# KiCad board s100_ColorMagic-1.1-003.kicad_pcb (continued)
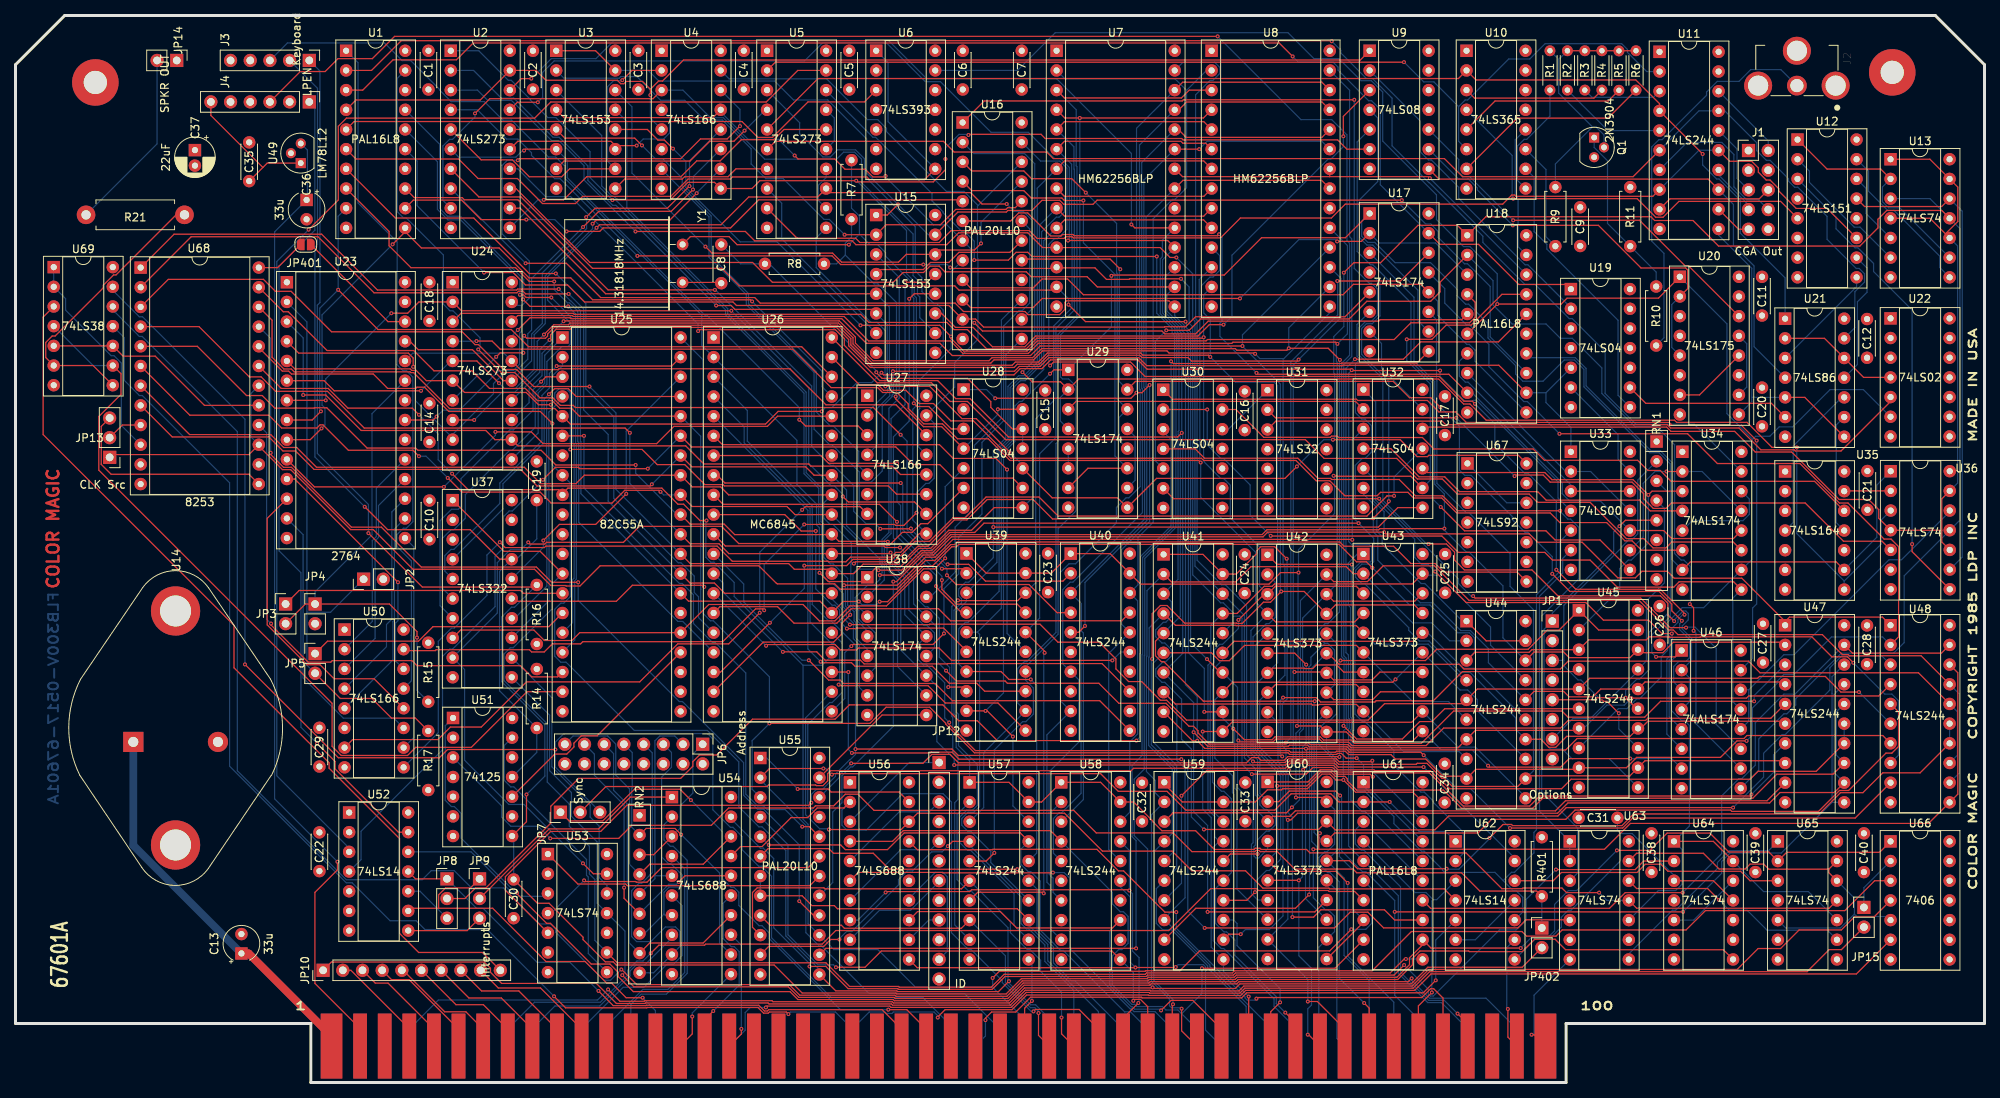
[diagram p0: board, top side]
## Routing (per net, layer and track width the routed paths; a pad name or vN(x,y) marks a point on that pad's centre or on a via; arc(x,y) is an arc through that point) (continued)
/WR: length 279.8
  Component w0.152: v1(97.26,46.34) 110.22,46.34 112.31,48.43 117.93,48.43 119.99,46.37 119.99,46.27 123.71,42.55 164.15,42.55 164.36,42.34 170.41,42.34 170.55,42.47 171.04,42.47 171.65,41.86 v1(173.01,41.86) ; U25.36 72.74,86 71.71,87.03 70.2,87.03 69.22,88 67.33,88 65.76,89.57 61.15,89.57 58.88,91.85 53.98,91.85 51.37,94.47 40.19,94.47 35.19,99.47 34.55,99.47 U68.23
  Copper w0.152: 191.91,26.05 193.19,24.77 193.57,24.77 194.44,23.9 194.44,22 U62.10 ; 191.91,26.05 192.98,27.13 193.37,27.13 195.88,29.64 195.88,32.28 196.21,32.61 196.21,62.96 199.24,66 199.24,69.83 U33.5 ; 191.91,26.05 190.84,27.12 184.37,27.12 184.08,27.4 184.08,27.49 181.71,29.86 181.36,29.86 177.81,33.41 177.81,34.33 173.9,38.24 U61.1 173.9,40.97 v1(173.01,41.86) ; U25.36 88.39,83.4 88.39,63.66 88.39,60.84 89.64,59.59 90.02,59.59 97.26,52.35 v1(97.26,46.34) 95.02,44.11 95.02,37.86 U55.3
A0: length 226.6
  Component w0.152: v1(56.32,78.58) 58.39,76.51 70.06,76.51 70.56,76.01 ; v1(126.05,13.49) 126.92,14.36 145.73,14.36 145.8,14.42 150.19,14.42 152.75,16.99 169.53,16.99 v1(172.31,19.77) ; 70.56,76.01 U25.9 ; 70.56,76.01 71.26,76.71 83.38,76.71 85.45,74.63 86.19,74.63 88.3,72.53 v1(89.13,72.53) ; U68.19 34.28,89.57 40.34,89.57 42.88,87.03 51.18,87.03 v1(52.04,86.17)
  Copper w0.152: v1(89.13,72.53) 89.05,72.45 89.05,67.78 89.69,67.15 90.1,67.15 92.71,64.54 92.71,62.74 101.59,53.85 ; v1(56.32,78.58) 54.52,80.37 54.52,83.69 v1(52.04,86.17) ; 126.05,12.28 116.12,12.28 111.25,17.15 105.57,17.15 U55.15 102.24,20.48 102.24,33.33 101.59,33.97 101.59,53.85 ; 126.05,12.28 130.18,8.16 P1.79 ; 126.05,12.28 v1(126.05,13.49) ; v1(172.31,19.77) 174.18,19.77 174.96,20.55 174.96,24.99 U61.6 ; 101.59,53.85 104.05,53.85 105.3,55.1 U26.24
A1: length 199.3
  Component w0.152: U55.13 105.81,11.83 113.68,11.83 113.78,11.73 126.81,11.73 v1(128.15,13.08) ; v1(69.26,85.05) 67.7,86.6 55.89,86.6 52.76,89.73 51.78,89.73 51.62,89.57 48.01,89.57 46.15,91.44 35.61,91.44 35.24,91.8 34.42,91.8 31.39,94.84 U68.20
  Copper w0.152: U55.13 103.7,14.59 99.37,18.92 99.37,29.93 96.31,32.99 95.91,32.99 93.31,35.59 93.31,41.38 89.26,45.43 79.83,45.43 71.02,54.25 70.34,54.25 69.55,55.04 69.55,61.07 70.35,61.86 70.73,61.86 71.57,62.7 71.57,64.1 71.54,64.12 71.54,64.97 71.57,64.99 71.57,77.37 U25.8 69.26,79.68 v1(69.26,85.05) ; P1.80 133.35,8.27 131.6,10.03 130.96,10.03 128.15,12.83 v1(128.15,13.08) 128.03,13.2 128.03,19.97 123.23,24.77 122.87,24.77 121.47,26.18 121.47,34.59 123.08,36.2
A2: length 65.7
  Component w0.152: v1(120.26,30.5) 120.88,31.12 U57.4 ; U55.11 97.17,17.57 104.26,17.57 105.15,18.46 v1(106.29,18.46)
  Copper w0.152: U57.4 123.08,30.6 129.69,23.99 129.69,20.54 130.42,19.82 130.73,19.82 132.78,17.76 132.78,15.63 136.53,11.89 P1.81 ; v1(120.26,30.5) 119.53,29.77 118.17,29.77 115.72,27.31 115.04,27.31 113.91,26.18 113.91,25.51 107.89,19.49 107.21,19.49 106.29,18.57 v1(106.29,18.46)
A3: length 61.8
  Component w0.152: P1.31 134.94,6.29 v1(134.94,8.38) ; U55.10 95.07,20.03 95.07,24.52 95.67,25.12 104.28,25.12 104.4,25 122.04,25 123.08,26.04
  Copper w0.152: 123.08,26.04 128.34,20.78 128.34,19.34 130.53,17.15 130.87,17.15 132.24,15.78 132.24,14.35 134.94,11.65 v1(134.94,8.38)
A4: length 49
  Component w0.152: P1.30 131.97,6.08 v1(131.97,8.96) ; U55.9 97.35,20.29 106.54,20.29 106.93,19.91 122.03,19.91 U57.8
  Copper w0.152: v1(131.97,8.96) 131.97,9.18 131.49,9.66 130.93,9.66 127.7,12.89 127.7,16.34 U57.8
A5: length 11.7
  Component w0.152: v1(131.12,10.52) 130.18,9.58 P1.29
  Copper w0.152: v1(131.12,10.52) 131.12,15.46 130.7,15.88
A6: length 58.4
  Component w0.152: U55.8 101.47,24.1 102.74,22.83 105.63,22.83 106.03,22.42 129.24,22.42 U57.13
  Copper w0.152: P1.82 139.7,9.16 133.16,15.69 133.16,17.82 130.7,20.29 U57.13 ; U55.8 U55.7
A7: length 63.4
  Component w0.152: U55.6 97.09,30.19 104.91,30.19 105.51,29.59 110.65,29.59 112.71,27.52 v1(129.23,27.52)
  Copper w0.152: v1(129.23,27.52) 129.23,27.51 131.78,24.96 131.78,19.63 133.89,17.52 133.89,15.43 136.18,13.14 136.66,13.14 142.88,6.92 P1.83
A8: length 71.1
  Component w0.152: U57.17 129.61,32.21 114.63,32.21 112.49,30.06 107.05,30.06 106.45,30.66 v1(97.18,30.66)
  Copper w0.152: U55.5 97.14,30.66 v1(97.18,30.66) ; P1.84 146.05,6.9 143.83,9.12 143.08,9.12 135.15,17.05 134.81,17.05 132.18,19.68 132.18,26 130.97,27.21 130.64,27.21 129.69,28.16 129.69,30.11 U57.17
A9: length 76
  Component w0.152: P1.34 146.05,9.79 145.12,10.72 144.37,10.72 v1(144.2,10.55) ; 142.52,15.88 141.43,16.97 111.68,16.97 109.59,14.87 v1(105.84,14.87)
  Copper w0.152: v1(144.2,10.55) 144.2,14.2 142.52,15.88 ; v1(105.84,14.87) 105.52,15.19 103.51,15.19 99.65,19.06 99.65,30.69 U55.4
A10: length 58
  Component w0.152: U56.13 116.37,22.06 127.04,22.06 129.16,19.95 141.51,19.95 U58.13 ; v1(147.78,9.31) 149.07,10.6 151.87,10.6 155.58,6.9 P1.37
  Copper w0.152: v1(147.78,9.31) 147.62,9.46 144.37,9.46 144.05,9.78 143.92,9.78 141.15,12.54 141.15,19.59 U58.13
A11: length 62.1
  Component w0.152: v1(149.67,14.9) 149.62,14.84 v1(144.48,14.84) 144.45,14.82 116.32,14.82 115.27,15.88
  Copper w0.152: v1(149.67,14.9) 149.98,15.21 153.24,15.21 153.51,14.94 153.51,6.76 P1.87 ; 142.52,26.04 142.52,25.22 143.81,23.93 143.81,15.51 v1(144.48,14.84)
A12: length 66
  Component w0.152: P1.33 142.88,8.29 v1(144.85,10.26) ; v1(112.24,24.53) 112.35,24.64 123.09,24.64 123.33,24.88 143.59,24.88 v1(143.69,24.78)
  Copper w0.152: U56.8 108.67,20.96 v1(112.24,24.53) ; v1(144.85,10.26) 144.94,10.35 144.94,16.12 144.09,16.96 144.09,24.38 v1(143.69,24.78) 143.69,29.95 U58.17
A13: length 67.7
  Component w0.152: v1(133.82,27.09) 133.79,27.06 119.63,27.06 119.58,27.11 108.72,27.11 107.65,26.04
  Copper w0.152: P1.85 149.23,6.93 147,9.15 144.28,9.15 143.95,9.48 143.81,9.48 135.99,17.31 135.99,26.38 135.28,27.09 v1(133.82,27.09) 133.61,27.3 133.61,34.91 134.9,36.2
A14: length 96.6
  Component w0.152: U56.4 107.65,31.12 113.13,31.12 114.52,32.51 133.51,32.51 U58.4 ; v1(153.05,14.75) 170.22,14.75 U61.9
  Copper w0.152: 150.43,8.87 152.4,6.9 P1.86 ; 150.43,8.87 153.05,11.49 v1(153.05,14.75) ; 150.43,8.87 149.94,9.36 148.4,9.36 147.95,9.81 144.66,9.81 144.38,10.09 144.01,10.09 141.49,12.61 141.49,16.33 142.31,17.15 142.72,17.15 143.53,17.96 143.53,21.44 142.92,22.04 142.51,22.04 141.48,23.07 141.48,24.54 U58.4
A15: length 82
  Component w0.152: U54.17 93.53,30.45 96.31,30.45 100.05,34.19 102.18,34.19 103.42,35.43 106.88,35.43 107.65,36.2 ; P1.32 139.7,6.93 137.2,9.42 131.57,9.42 v1(131.32,9.18)
  Copper w0.152: 107.65,36.2 106.61,35.16 106.61,33.22 107.24,32.58 109.76,32.58 114.45,37.27 119.66,37.27 120.74,36.19 120.74,19.33 122.92,17.15 123.29,17.15 127.29,13.14 127.29,12.9 131.01,9.18 v1(131.32,9.18)
A16: length 22.8
  Component w0.152: P1.16 88.9,8.12 v1(90.01,9.22)
  Copper w0.152: v1(90.01,9.22) 93.35,12.56 93.35,16.9 92.72,17.53 92.34,17.53 91.29,18.57 91.29,23.13 U54.15
A17: length 15.6
  Component w0.152: v1(93.63,6.92) 93.63,6.26 P1.17
  Copper w0.152: U54.13 93.63,17.73 v1(93.63,6.92)
A18: length 12
  Component w0.152: P1.15 87.3,6.28 v1(87.3,8.52)
  Copper w0.152: v1(87.3,8.52) 87.3,8.98 U54.11
A19: length 25.9
  Copper w0.152: P1.59 66.68,6.96 69.59,9.87 75.38,9.87 79.27,13.76 79.27,14.38 80.08,15.19 81.19,15.19 84.68,18.68 U54.8
A20: length 27.4
  Copper w0.152: P1.61 73.03,6.93 78.39,12.29 81.07,12.29 84.03,15.25 84.86,15.25 86.01,16.4 86.01,22.81 U54.6
A21: length 31.3
  Copper w0.152: P1.62 76.2,7.29 80.92,12.01 84.16,12.01 86.32,14.18 86.32,27.58 U54.4
A22: length 36.4
  Copper w0.152: P1.63 79.38,10.07 80.71,11.4 83.96,11.4 86.65,14.09 86.65,28.67 84.83,30.49 84.47,30.49 83.65,31.31 83.65,33.27 U54.2
A23: length 50
  Component w0.152: 54.58,22.49 61.56,22.49 67.67,16.37 67.67,16.36 68.43,15.61 73.49,15.61 76.29,12.81 76.9,12.81 78.77,10.94 v1(80.9,10.94) ; 54.58,22.49 51,22.49 U52.9 ; 54.58,22.49 54.58,24.21 55.48,25.11 58.69,25.11 JP9.1
  Copper w0.152: v1(80.9,10.94) 82.55,9.29 P1.64
ALPHA_DOTS: length 75.8
  Component w0.152: U1.12 51.32,113.88 57.54,113.88 60.06,111.36 v1(65.9,111.36) ; v1(71.09,109.84) 75.36,109.84 75.81,110.29 92.25,110.29 95.87,113.92 122,113.92 U16.5
  Copper w0.152: v1(71.09,109.84) 69.57,111.36 v1(65.9,111.36)
AT0: length 84
  Component w0.152: U15.6 110.5,99.78 92.81,99.78 92.31,100.28 v1(90.38,100.28)
  Copper w0.152: v1(90.38,100.28) 77.45,113.21 77.04,113.21 73.84,116.41 73.84,118.28 70.12,121.99 69.33,121.99 64.28,127.04 62.66,127.04 59.09,130.62 U2.2 ; U15.6 112.45,97.83 112.45,91.43 112.67,91.2 112.67,89.65 112.5,89.48 112.5,89.11 109.88,86.49 109.88,86.09
AT1: length 43
  Component w0.152: 77.37,117.92 71.48,117.92 70.45,116.89 66.28,116.89 64.09,119.08 60.07,119.08 U2.5 ; v1(78.27,129.36) 79.52,130.62 U4.2
  Copper w0.152: v1(78.27,129.36) 78.21,129.3 77.15,129.3 76.36,128.52 76.36,118.92 77.37,117.92
AT2: length 72.1
  Component w0.152: v1(65.6,120.28) 65.78,120.45 U3.6 ; U27.3 108.71,84.72 101.92,84.72 v1(101.11,85.54)
  Copper w0.152: v1(101.11,85.54) 101.11,87.1 89.28,98.93 89.02,98.93 71.18,116.77 71.18,119.02 U3.6 ; v1(65.6,120.28) 65.41,120.28 64.56,119.43 57.18,119.43 U2.6
AT3: length 96.5
  Component w0.152: U4.3 82.25,126.97 61.18,126.97 v1(59.28,125.06)
  Copper w0.152: v1(59.28,125.06) 59.28,124.62 56.38,121.72 55.99,121.72 55.13,120.86 55.13,113.85 U2.9 ; U4.3 86.1,128.07 89.65,124.52 91.3,124.52 96.65,119.16 105.92,119.16 106.82,120.06 108.25,120.06 109.14,119.17 109.14,116.15 115.79,109.51 115.79,104.14 116.35,103.57 116.35,101.67 116.65,101.38 116.65,98.71 U15.10
AT4: length 74.7
  Component w0.152: U15.5 76.14,101.8 65.1,112.84 U2.12
  Copper w0.152: U15.5 112.73,100.09 112.73,91.54 112.97,91.3 112.97,89.69 112.95,89.67 112.95,89.54 112.78,89.36 112.78,88.62 111.16,87.01 111.16,82.29 109.88,81.01
AT5: length 25.8
  Component w0.152: U2.15 64.78,121.47 76.82,121.47 77.37,120.92 ; 77.37,120.92 v1(80.13,120.92) ; 77.37,120.92 77.37,120.45
  Copper w0.152: v1(80.13,120.92) 80.98,121.77 83.6,121.77 84.38,122.55 84.38,124.5 U4.4
AT6: length 73.2
  Component w0.152: v1(80.81,120.94) 79.87,121.88 70.87,121.88 U3.5 U2.16
  Copper w0.152: v1(80.81,120.94) 82.57,119.19 83.53,119.19 86.01,116.7 86.01,115.58 89.74,111.84 89.74,106.62 94.56,101.8 94.56,100.49 103.3,91.75 103.3,86.54 105.12,84.72 105.51,84.72 108.78,81.46 108.78,79.57 U27.5
AT7: length 143.2
  Component w0.152: 81.9,128.19 v1(81.9,127.43) ; 81.9,128.19 82.96,129.25 83.46,129.25 86.17,131.96 173.48,131.96 U9.1 ; 81.9,128.19 80.89,129.19 78.78,129.19 78.48,128.9 78.08,128.9 77.63,129.34 68.42,129.34 67.15,130.62 U2.19 59.96,126.81 43.92,126.81 U1.4
  Copper w0.152: U4.5 81.9,124.45 v1(81.9,127.43)
ATCLK: length 46.1
  Component w0.152: v1(68.15,113.91) 70.7,113.91 73.68,116.9 85.83,116.9 87.88,118.94 90.89,118.94 93.63,121.68 97.82,121.68 99.14,123 U5.16
  Copper w0.152: U2.11 67.39,113.91 v1(68.15,113.91)
B: length 153.6
  Component w0.152: U11.15 221.12,118.89 223.97,118.89 224.83,118.03 224.83,117.48 225.84,116.47 226.34,116.47 227.46,115.34 227.46,115.05 229.71,112.81 233.69,112.81 U12.11 ; U11.8 211.21,114.36 193.56,114.36 193.39,114.53 193.01,114.53 191.84,113.36 171.54,113.36 169.74,111.56 158.01,111.56 155.44,109 136.45,109 136.3,109.15 135.49,109.15 135.27,108.93 131.79,108.93 130.78,109.95 120.7,109.95 119.16,108.41 108.93,108.41 108.38,108.96 100.83,108.96 U5.9
  Copper w0.152: U11.8 217.16,120.31 U11.15
B_HSYNC_OUT: length 15.1
  Component w0.152: U11.9 213.43,114.05 224.95,114.05 J1.6
B_OUT: length 4.9
  Component w0.152: J1.9 222.28,110.12 U11.12
B_VSYNC_OUT: length 21.5
  Copper w0.152: J1.8 224.83,113.93 223.33,113.93 221.67,115.59 221.67,119.77 220.11,121.32 215.63,121.32 U11.7
BACKGROUND_I: length 53.4
  Component w0.152: U15.12 115.94,101.8 v1(115.29,101.14)
  Copper w0.152: v1(115.29,101.14) 115.29,85.36 113.25,83.33 113.25,70.28 113.4,70.13 113.4,66.84 115.24,65 115.24,60.96 117.22,58.98 117.59,58.98 118.55,58.02 118.55,56.1 U38.12
BLINK: length 72.2
  Component w0.152: U6.3 109.5,126.55 102.23,126.55 97.66,121.98 95.76,121.98 93.71,124.02 43.68,124.02 U1.5
BUS8V: length 67.7
  Component w1: C13.1 30.08,16.66 40.77,5.97 P1.1
  Copper w1: U14.1 15.2,30.6 C13.1 30.09,16.66 40.77,5.98 P1.1
BUS16V: length 125.6
  Component w0.152: P1.2 44.45,6.96 38.62,12.79 38.62,24.54 41.53,27.44 v1(41.53,28.5)
  Copper w0.152: v1(41.53,28.5) 33.43,36.6 33.43,109.78 C36.1 37.66,114.01 37.66,120.34 U49.3
C0: length 158.1
  Component w0.152: v1(109,97.72) 119.23,97.72 v1(120.69,96.26) 120.69,96.03 122.33,94.39 130.49,94.39 131.81,95.71 153.59,95.71 153.76,95.88 177.85,95.88 180.01,98.05 187.59,98.05 188.3,98.75 188.3,100.7 U18.4 ; 77.37,123 81.51,123 82.88,121.63 83.71,121.63 v1(84.81,120.52)
  Copper w0.152: v1(109,97.72) 98.23,108.49 93.49,108.49 86.48,115.51 86.48,118.86 v1(84.81,120.52) ; U16.8 120.69,104.62 v1(120.69,96.26) 120.69,94.72 116.49,90.53 116.49,88.09 116.65,87.94 116.65,86.98 116.49,86.83 116.49,82.02 117.5,81.01
C1: length 137.1
  Component w0.152: U4.13 89.96,124.53 70.76,124.53 U3.4 ; U18.5 186.55,98.45 176.04,98.45 175.85,98.26 153.86,98.26 152.22,96.62 148.26,96.62 147.89,96.98 124.74,96.98 v1(123.69,98.04) ; v1(100.51,119.63) 100.95,119.19 105.69,119.19 107.01,117.86 109.61,117.86 110.6,116.87 112.12,116.87 v1(112.24,116.99)
  Copper w0.152: v1(100.51,119.63) 98.41,121.72 94.51,121.72 90.97,125.26 U4.13 ; v1(123.69,98.04) 123.2,98.52 123.2,107.63 U16.7 120.15,110.69 118.42,110.69 112.24,116.86 v1(112.24,116.99)
CC0: length 106.6
  Component w0.152: U23.7 v1(40.02,88.04) ; U27.10 115.97,74.92 107.43,74.92 v1(106.72,75.63) ; v1(92.34,99.6) 57.54,99.6 U24.2 52.04,100.74 50.58,99.28 v1(48.48,99.28)
  Copper w0.152: v1(48.48,99.28) 40.02,90.81 v1(40.02,88.04) ; v1(106.72,75.63) 106.72,75.9 105.62,77 105.22,77 102.33,79.89 102.33,89.61 v1(92.34,99.6)
CC1: length 78
  Component w0.152: U24.5 59.51,93.12 v1(62.37,90.26) ; v1(52.31,89.27) 41.11,89.27 39.8,90.58 U23.6 ; v1(74.45,110.83) 74.92,111.3 84.4,111.3 v1(87.87,114.77)
  Copper w0.152: v1(74.45,110.83) 74.45,110.2 68.34,104.09 68.34,97.94 66.91,96.51 66.91,92 64.45,89.55 63.08,89.55 v1(62.37,90.26) ; U4.10 87.87,114.81 v1(87.87,114.77) ; U24.5 56.16,93.12 v1(52.31,89.27)
CC2: length 96.2
  Component w0.152: v1(69.06,87.47) 67.47,87.47 65.88,89.06 57.92,89.06 U24.6 53,90.58 51.68,91.9 51.11,91.9 50.9,92.11 36.02,92.11 U23.5 ; v1(71.58,81.7) 80.82,81.7 82.78,79.74 86.34,79.74 88.92,77.16 91.29,77.16 91.45,77 112.58,77 113.65,75.93 117.5,75.93
  Copper w0.152: v1(71.58,81.7) 71.58,89.01 71.04,89.54 70.12,89.54 69.55,88.97 69.55,87.96 v1(69.06,87.47)
CC3: length 87.5
  Component w0.152: U23.4 36.53,94.13 50.67,94.13 51.3,93.5 v1(51.3,92.36) ; v1(87.4,115.24) 84.58,112.43 75.24,112.43 v1(73.21,110.4)
  Copper w0.152: 56.4,83.64 61.66,88.91 61.66,90.2 63.07,91.6 64.33,91.6 66.08,93.35 66.08,96.62 66.57,97.11 66.57,103.76 v1(73.21,110.4) ; 56.4,83.64 55.94,83.64 51.6,87.99 51.6,92.06 v1(51.3,92.36) ; 56.4,83.64 U24.9 ; U4.11 87.44,116.92 87.44,115.28 v1(87.4,115.24)
CC4: length 95
  Component w0.152: U27.12 114.16,78.47 113.09,79.54 102.59,79.54 102.31,79.83 88.79,79.83 86.45,82.17 64.81,82.17 U24.12 61.85,82.96 60.66,84.15 44.59,84.15 40.02,88.73 v1(37.11,88.73)
  Copper w0.152: v1(37.11,88.73) 37.11,96.09 U23.3
CC5: length 65
  Component w0.152: U23.25 50.87,95.66 51.96,94.57 58.96,94.57 62.94,90.58 U24.15 ; v1(73.61,111.68) 74.76,112.83 84.08,112.83 v1(86.94,115.69)
  Copper w0.152: v1(86.94,115.69) 86.94,118.97 U4.12 ; v1(73.61,111.68) 73.67,111.62 73.67,110.21 67.96,104.5 67.96,97.96 66.57,96.58 66.57,93.14 U24.15
CC6: length 72.1
  Component w0.152: U24.16 65.13,92 70,92 70.11,92.11 99.9,92.11 104.55,87.46 113.59,87.46 U27.14
  Copper w0.152: U23.24 51.25,94.13 63.01,94.13 U24.16
CC7: length 85.3
  Component w0.152: v1(93.46,123.43) 91.8,121.78 88.36,121.78 85.81,119.23 65.01,119.23 v1(64.81,119.03) ; U23.21 53.88,85.5 v1(54.32,85.94)
  Copper w0.152: 65.25,100.29 64.47,100.29 U24.19 ; 65.25,100.29 65.34,100.29 66.28,101.23 66.28,106 62.76,109.52 62.76,118.35 63.44,119.03 v1(64.81,119.03) ; 65.25,100.29 65.25,96.93 65.02,96.7 65.02,92.69 64.23,91.9 62.39,91.9 57.26,86.77 55.15,86.77 v1(54.32,85.94) ; U4.14 93.46,125.59 v1(93.46,123.43)
CCLK: length 80.6
  Component w0.152: v1(119.77,57.95) 118.35,56.53 108.03,56.53 v1(107.82,56.32)
  Copper w0.152: v1(107.82,56.32) 106.97,55.47 106.97,49.57 U26.21 ; U16.19 130.83,110.16 130.83,100.59 129.88,99.64 129.47,99.64 127.46,97.62 127.46,85.41 124.67,82.62 124.67,73.37 121.67,70.36 121.67,65.63 119.77,63.73 v1(119.77,57.95)
CGROM11: length 36.6
  Component w0.152: JP3.1 36.59,63.5 65.14,63.5 65.51,63.14 U25.14
CGROM12: length 34.1
  Component w0.152: JP5.1 40.25,56.96 51.98,56.96 53.85,58.83 68.79,58.83 U25.15
CHG_DOTS: length 88.4
  Copper w0.152: U50.13 51.07,51.84 51.07,57.09 51.05,57.11 51.05,57.72 51.07,57.74 51.07,67.31 49.21,69.17 49.21,70.71 50.03,71.53 50.41,71.53 51.26,72.38 51.26,91.04 50.45,91.85 50,91.85 49.23,92.62 49.23,108.47 44.19,113.52 44.19,131.62 U1.1
CLOCK: length 14.7
  Component w0.152: v1(192.52,9.49) 192.52,5.85 P1.49
  Copper w0.152: 193.4,18.42 192.37,17.4 192.37,9.63 v1(192.52,9.49)
COLOR_SEL: length 43.8
  Copper w0.152: U38.15 118.01,62.67 121.21,65.86 121.21,71.68 123.7,74.17 123.7,82.24 127.18,85.72 127.18,98.41 U16.15
CURSOR: length 109.6
  Component w0.152: v1(106.89,64.18) 113.77,64.18 117.39,67.8 118.62,67.8 120.92,70.09 172.39,70.09 v1(172.44,70.03) ; v1(107.68,60.35) 106.54,59.21 106.54,57.84 105.53,56.83 96.46,56.83 U26.19
  Copper w0.152: v1(106.89,64.18) 107.06,64 107.06,61.48 107.68,60.86 v1(107.68,60.35) ; v1(172.44,70.03) 172.44,82.91 U32.3
CURSOR_BLINK: length 99.4
  Component w0.152: U6.8 117.25,116.52 110.17,116.52 109.82,116.87 92.49,116.87 92.22,116.6 86.76,116.6 84.52,114.36 73.16,114.36 72.24,113.44 67.98,113.44 64.75,116.67 59.67,116.67 57.15,119.19 43.92,119.19 U1.6
  Copper w0.152: U6.1 112.56,131.62 112.56,124 U6.8
D3IN: length 155.6
  Component w0.152: v1(133.46,92.53) 133.92,92.98 143.84,92.98 145.7,91.12 183.66,91.12 186.85,87.93 187.93,87.93 v1(188.28,87.58) ; v1(198.77,66.17) 201.29,63.65 212.18,63.65 215.3,60.54 v1(215.3,60.37)
  Copper w0.152: v1(188.28,87.58) 190.83,85.02 190.83,82.47 194.68,78.62 195.12,78.62 198.77,74.98 v1(198.77,66.17) ; U46.6 213.02,44.97 213.02,54.65 213.41,55.04 213.41,57.54 213.2,57.75 213.2,58.14 214.46,59.4 214.46,59.76 215.08,60.37 v1(215.3,60.37) ; U16.23 132.23,118.92 134.72,118.92 135.64,118 135.64,110.12 134.41,108.9 134.02,108.9 133.29,108.16 133.29,92.7 v1(133.46,92.53)
DA12: length 113.9
  Component w0.152: U40.2 135.12,64.71 125.13,64.71 122.96,66.87 v1(120.24,66.87) ; v1(111.56,71.46) 115.47,71.46 v1(115.51,71.5) ; v1(90.23,102.29) 76.44,102.29 64.81,113.92 57.9,113.92 57.62,114.2 51.44,114.2 U1.13
  Copper w0.152: v1(90.23,102.29) 90.3,102.29 102.71,89.88 102.71,82.08 105.14,79.64 105.53,79.64 108.12,77.05 108.12,73.72 109.72,72.12 110.9,72.12 v1(111.56,71.46) ; v1(120.24,66.87) 120.05,66.87 115.51,71.41 v1(115.51,71.5)
DA13: length 139.1
  Component w0.152: U40.4 134.37,60.64 130.74,64.27 121.35,64.27 v1(120.15,65.47) ; v1(114.18,83.6) 110.67,87.11 72.22,87.11 71.94,87.39 70.28,87.39 69.31,88.36 67.65,88.36 64.39,91.63 62.67,91.63 v1(59.69,94.61)
  Copper w0.152: v1(59.69,94.61) 59.93,94.84 59.93,96.1 56.43,99.6 56.04,99.6 55.2,100.44 55.2,106.79 50.42,111.56 50.06,111.56 49.26,112.37 49.26,129.6 U1.19 ; v1(120.15,65.47) 120.15,66.31 118.17,68.29 118.07,68.29 115.02,71.34 115.02,82.77 v1(114.18,83.6)
DI0: length 162
  Component w0.152: v1(170.87,37.03) 170.29,37.61 164.33,37.61 162.97,36.25 U60.2 ; v1(177.92,22.02) v1(215.12,22.02)
  Copper w0.152: 234.33,36.16 227.79,29.61 221.17,29.61 220.1,28.54 220.1,27 v1(215.12,22.02) ; 234.33,36.16 U47.11 ; 234.33,36.16 234.33,50.22 234.33,50.22 234.33,52.37 U47.18 ; v1(170.87,37.03) 171.06,36.84 171.06,29.9 173.77,27.19 174.2,27.19 177.92,23.48 v1(177.92,22.02) 177.92,11.25 180.98,8.19 P1.95 ; U42.2 162.52,64.55 162.52,60.02 161.71,59.22 161.35,59.22 159.65,57.51 159.65,42.77 160.52,41.9 160.52,37.31 161.53,36.31 U60.2
DI1: length 153.6
  Component w0.152: v1(171.85,25.75) 170.36,27.25 162.91,27.25 U60.5 ; U47.13 234.45,39.79 227.21,39.79 224.11,36.69 197.02,36.69 195.72,35.39 186.55,35.39 184.19,37.74 173,37.74 171.81,38.94 171.81,39.2 171.5,39.51 170.26,39.51 169.68,40.08 168.41,40.08 166.6,38.27 v1(162.75,38.27)
  Copper w0.152: U47.16 234.89,47.85 234.89,42.24 U47.13 ; v1(171.85,25.75) 171.85,16.33 177.8,10.38 177.8,4.7 ; U42.5 159.93,56.37 159.93,42.89 162.67,40.15 162.67,38.36 v1(162.75,38.27) 162.83,38.2 162.83,29.93 U60.5
DI2: length 137.2
  Component w0.152: v1(166.1,40.35) 166.69,40.93 170.02,40.93 170.6,40.35 175.23,40.35 175.33,40.25 182.5,40.25 183.79,38.97 183.96,38.97 185.01,37.91 199.44,37.91 200.67,39.14 223.77,39.14 224.79,40.16 232.28,40.16 U47.14 ; P1.41 166.8,6.17 v1(166.7,6.17) ; U60.6 v1(165.55,26.09) ; v1(166.5,53.93) 165.02,55.41 U42.6
  Copper w0.152: 166.01,40.35 166.01,40.35 166.01,43.27 166.5,43.76 v1(166.5,53.93) ; 166.01,40.35 166.01,26.55 v1(165.55,26.09) 165.55,16.36 167.18,14.73 167.18,10 166.7,9.51 v1(166.7,6.17) ; 166.01,40.35 v1(166.1,40.35) ; U47.15 U47.14
DI3: length 137.6
  Component w0.152: P1.42 171.45,6.94 167.94,10.45 v1(166.71,10.45) ; U47.12 234.63,37.43 227.63,37.43 226.28,36.08 200.26,36.08 198.93,34.75 165.39,34.75 164.52,33.88 v1(164.13,33.88)
  Copper w0.152: U47.12 234.61,39.98 234.61,50.1 235.9,51.39 U47.17 ; U42.9 162.86,46.43 162.86,41.38 163.51,40.73 163.51,40.03 163.86,39.69 163.86,34.16 v1(164.13,33.88) 164.13,21.08 U60.9 166.71,13.29 v1(166.71,10.45)
DI4: length 149.4
  Component w0.152: v1(168.26,32.18) 168.12,32.04 168.12,30.1 ; 168.12,30.1 v1(167.42,30.1) ; 168.12,30.1 204.98,30.1 208.31,33.43 246.78,33.43 U48.11 250.56,37.21 250.56,52.88 U48.18
  Copper w0.152: v1(168.26,32.18) 167.83,32.6 167.83,46.49 U42.12 ; P1.91 168.12,4.85 168.12,17.45 U60.12 170.16,19.48 170.16,21.47 169.35,22.28 168.98,22.28 167.42,23.84 v1(167.42,30.1)
DI5: length 145.8
  Component w0.152: U48.16 245.48,52.88 225.05,52.88 223.55,54.38 200.3,54.38 199.29,53.37 186.85,53.37 186.25,53.97 170.73,53.97 169.3,55.41 U42.15
  Copper w0.152: U42.15 167.14,53.42 167.14,46.38 167.21,46.31 167.21,31.09 167.93,30.38 167.93,29.74 167.81,29.61 167.81,27.43 U60.15 170.46,24.78 170.46,5.69 P1.92 ; U48.16 250.51,47.85 250.51,42.24 U48.13
DI6: length 149.1
  Component w0.152: v1(184.62,27.59) 184.62,27.58 173.14,27.58 172.09,28.63 U60.16 ; v1(190.14,31.55) 191.89,33.3 192.98,33.3 193.13,33.15 207.23,33.15 208.74,34.66 232.68,34.66 235.42,37.41 238.32,37.41 240.88,39.97 245.69,39.97 U48.14
  Copper w0.152: P1.93 174.62,13.15 171.38,16.39 171.38,26.39 U60.16 170.5,29.98 170.5,36.34 170.11,36.73 170.11,37.35 170.15,37.39 170.15,41.6 168.12,43.63 168.12,45.66 168.97,46.52 169.34,46.52 170.44,47.61 170.44,56.63 U42.16 ; v1(190.14,31.55) 190.14,31.47 186.2,27.53 184.68,27.53 v1(184.62,27.59) ; U48.15 U48.14
DI7: length 172.2
  Component w0.152: U48.17 245.82,55.08 236.58,55.08 236.43,55.22 235.66,55.22 233.08,57.8 214.45,57.8 213.85,58.4 213.26,58.4 209.43,62.23 187.5,62.23 183.05,66.68 176.43,66.68 174.39,64.64 170.05,64.64 U42.19 ; v1(173.98,10.26) 174.62,9.61 P1.43 ; U60.19 168.6,36.79 165.17,36.79 v1(165.17,36.79)
  Copper w0.152: U42.19 165.76,62.2 165.76,53.62 165.78,53.6 165.78,45.68 165.17,45.08 v1(165.17,36.79) ; U48.17 250.79,50.11 250.79,39.98 U48.12 ; v1(173.98,10.26) 170.76,13.48 170.76,25.9 169.56,27.1 169.26,27.1 168.14,28.22 168.14,29.04 168.87,29.77 169.18,29.77 170.15,30.75 170.15,35.24 U60.19
DISPEN: length 108.6
  Component w0.152: v1(101.76,66.71) 107.22,66.71 108.03,67.52 113.06,67.52 113.54,68 114.19,68 116.04,69.84 117.91,69.84 120.96,72.89 122.53,72.89 125.2,75.56 132.04,75.56 134.5,73.1 174.33,73.1 176.93,75.71 v1(177.83,75.71) ; U26.18 90.96,52.97 v1(97.31,59.33)
  Copper w0.152: v1(97.31,59.33) 101.76,63.77 v1(101.76,66.71) ; U32.11 177.83,78.14 v1(177.83,75.71)
DO0: length 110.9
  Component w0.152: P1.36 150.43,6.67 v1(150.43,9.53) ; U41.2 149.11,64.6 157.4,64.6 159.37,66.57 171.67,66.57 172.58,65.67 U43.2
  Copper w0.152: U44.2 185.02,57 182.71,59.31 180.23,59.31 U43.2 ; U41.2 145.96,63.48 145.96,55.04 145.89,54.97 145.89,40.14 147.04,38.99 147.04,37.37 U59.2 146.54,34.55 146.54,13.07 148.86,10.76 148.86,9.91 149.12,9.64 150.32,9.64 v1(150.43,9.53)
DO1: length 102.6
  Component w0.152: U41.4 149.63,59 157.41,59 157.45,58.96 172.96,58.96 U43.5 ; P1.35 149.23,10.01 v1(149.32,10.1)
  Copper w0.152: U43.5 175.35,56.58 182.24,56.58 186.89,51.92 187.18,51.92 ; U41.4 146.24,58.68 146.24,54.93 146.18,54.86 146.18,43.5 149.22,40.45 149.22,32.15 U59.4 146.85,29.78 146.85,13.16 149.32,10.7 v1(149.32,10.1)
DO2: length 103.4
  Component w0.152: U43.6 172.97,56.41 158.55,56.41 156.58,54.44 155.29,54.44 154.28,55.45 U41.6
  Copper w0.152: U41.6 146.8,54.16 146.8,43.9 149.8,40.91 149.8,27.65 U59.6 147.16,25.01 147.16,20.53 148,19.7 149.15,19.7 153.79,15.05 153.79,14.79 158.75,9.83 158.75,4.7 ; U44.6 184.87,49.16 180.23,49.16 U43.6
DO3: length 96.4
  Component w0.152: U43.9 172.97,48.79 168.16,48.79 168.09,48.72 167.3,48.72 167.18,48.84 149.63,48.84 U41.8
  Copper w0.152: P1.89 161.93,7.1 154.08,14.95 154.08,15.17 148.28,20.97 U59.8 148.2,21.17 150.87,23.84 150.87,40.53 149.81,41.59 149.81,48.66 U41.8 ; U43.9 179.05,42.71 186.23,42.71 187.18,41.76
DO4: length 90.6
  Component w0.152: U43.12 180.1,46.49 156.91,46.49 U41.11 v1(153.15,45.29) ; 158.75,4.7 159.08,5.03 v1(159.08,11.09)